# Altium PCB CONTROL_485.PcbDoc (part 1 of 2)
Units mm, origin at the board's own origin, x right, y up, seen from the top; angles counter-clockwise.
Board outline 100 x 50 mm, 2 copper layers (Top Layer, Top, Bottom Layer, Bottom), stack 1.57 mm thick; 196 components, 120 nets, 634 pads, 358 vias.
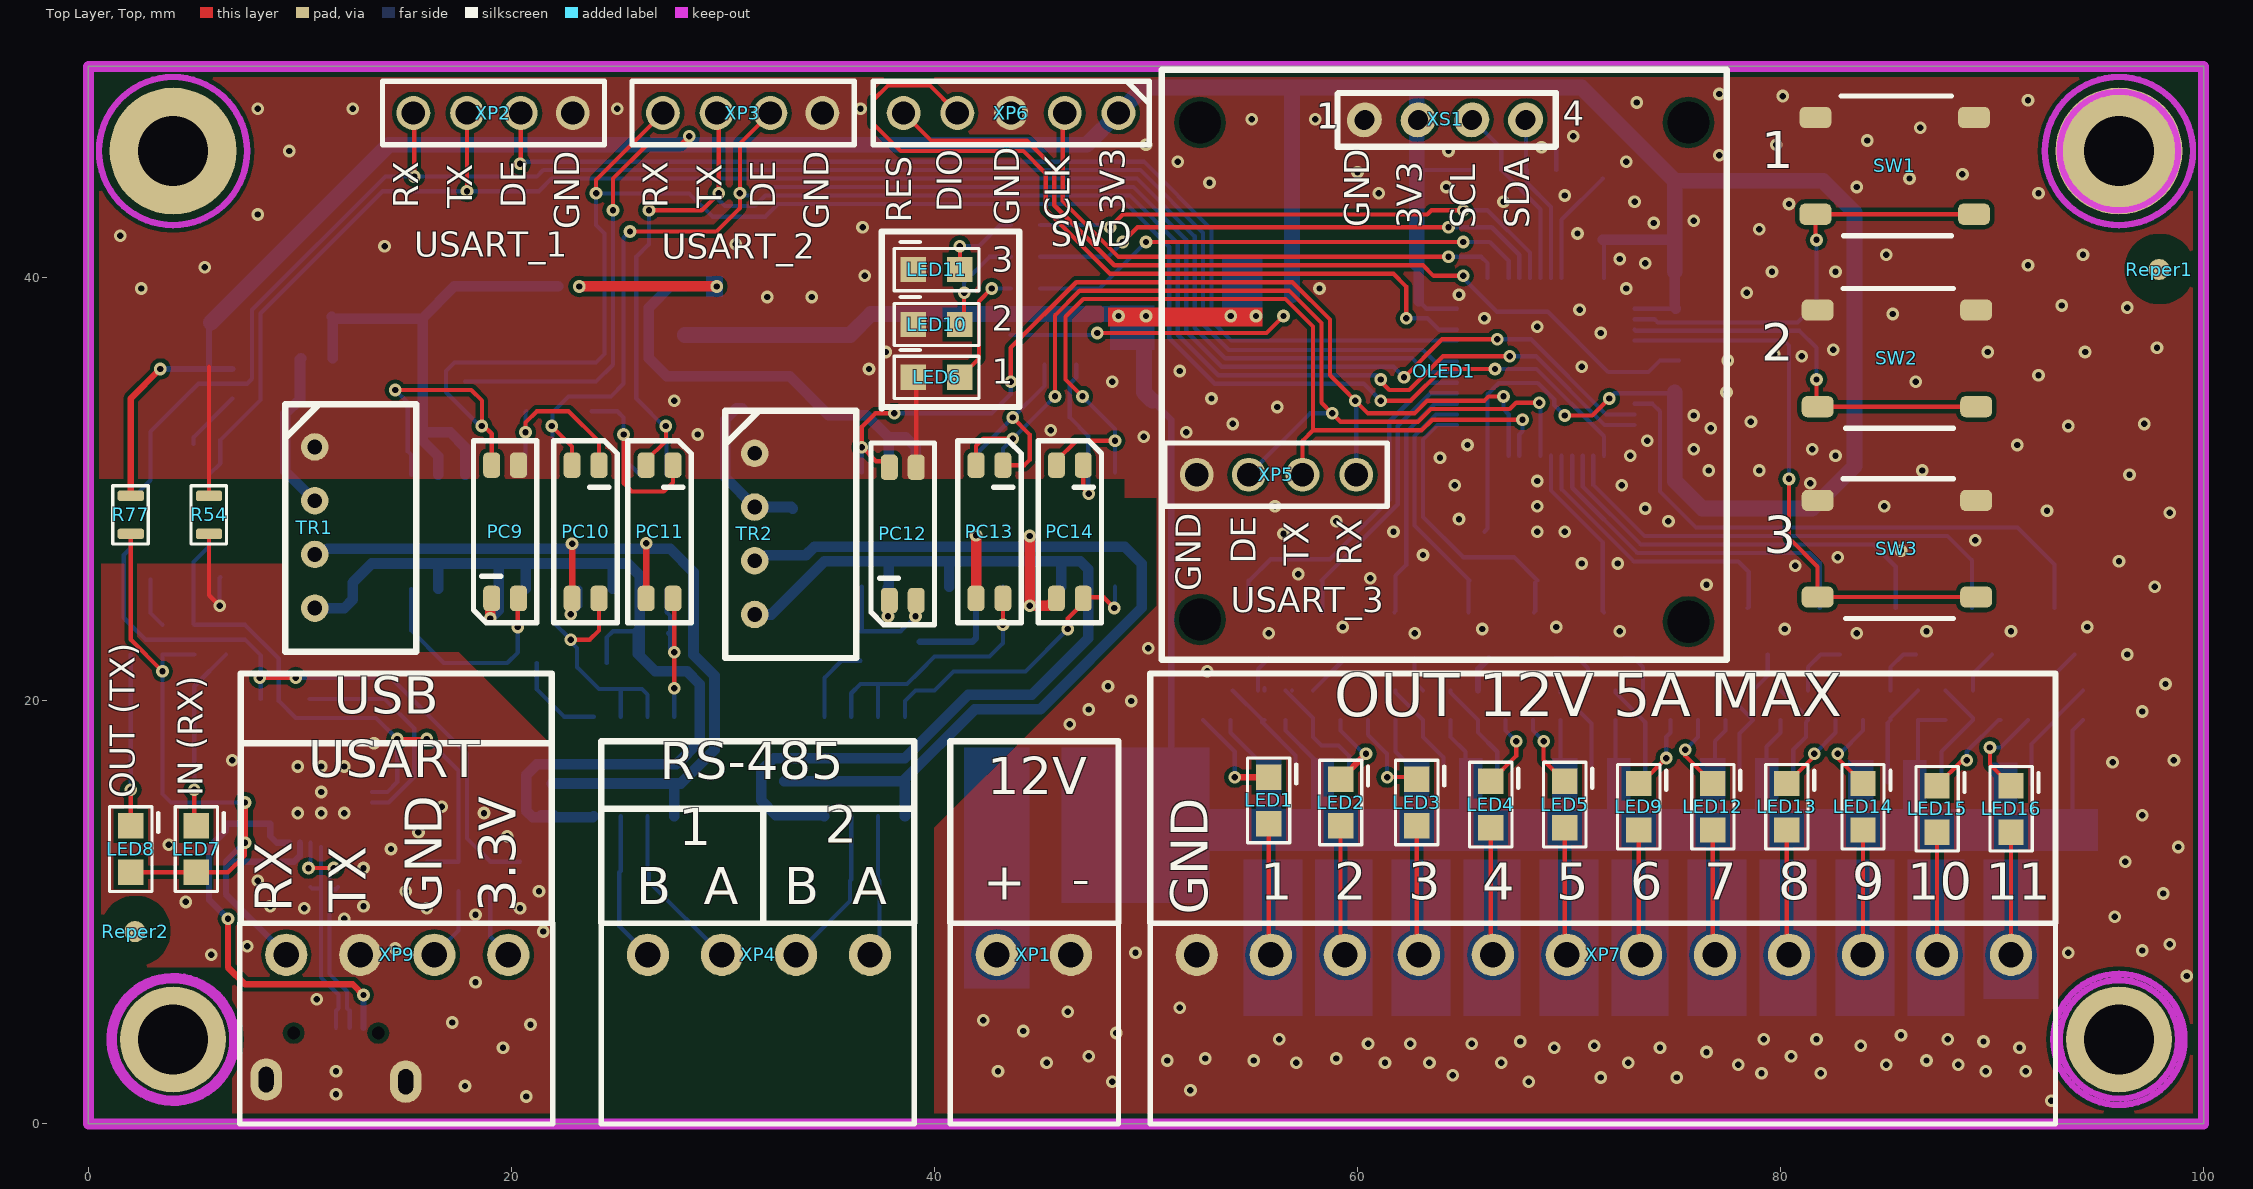
[diagram p0: Top Layer, Top view]
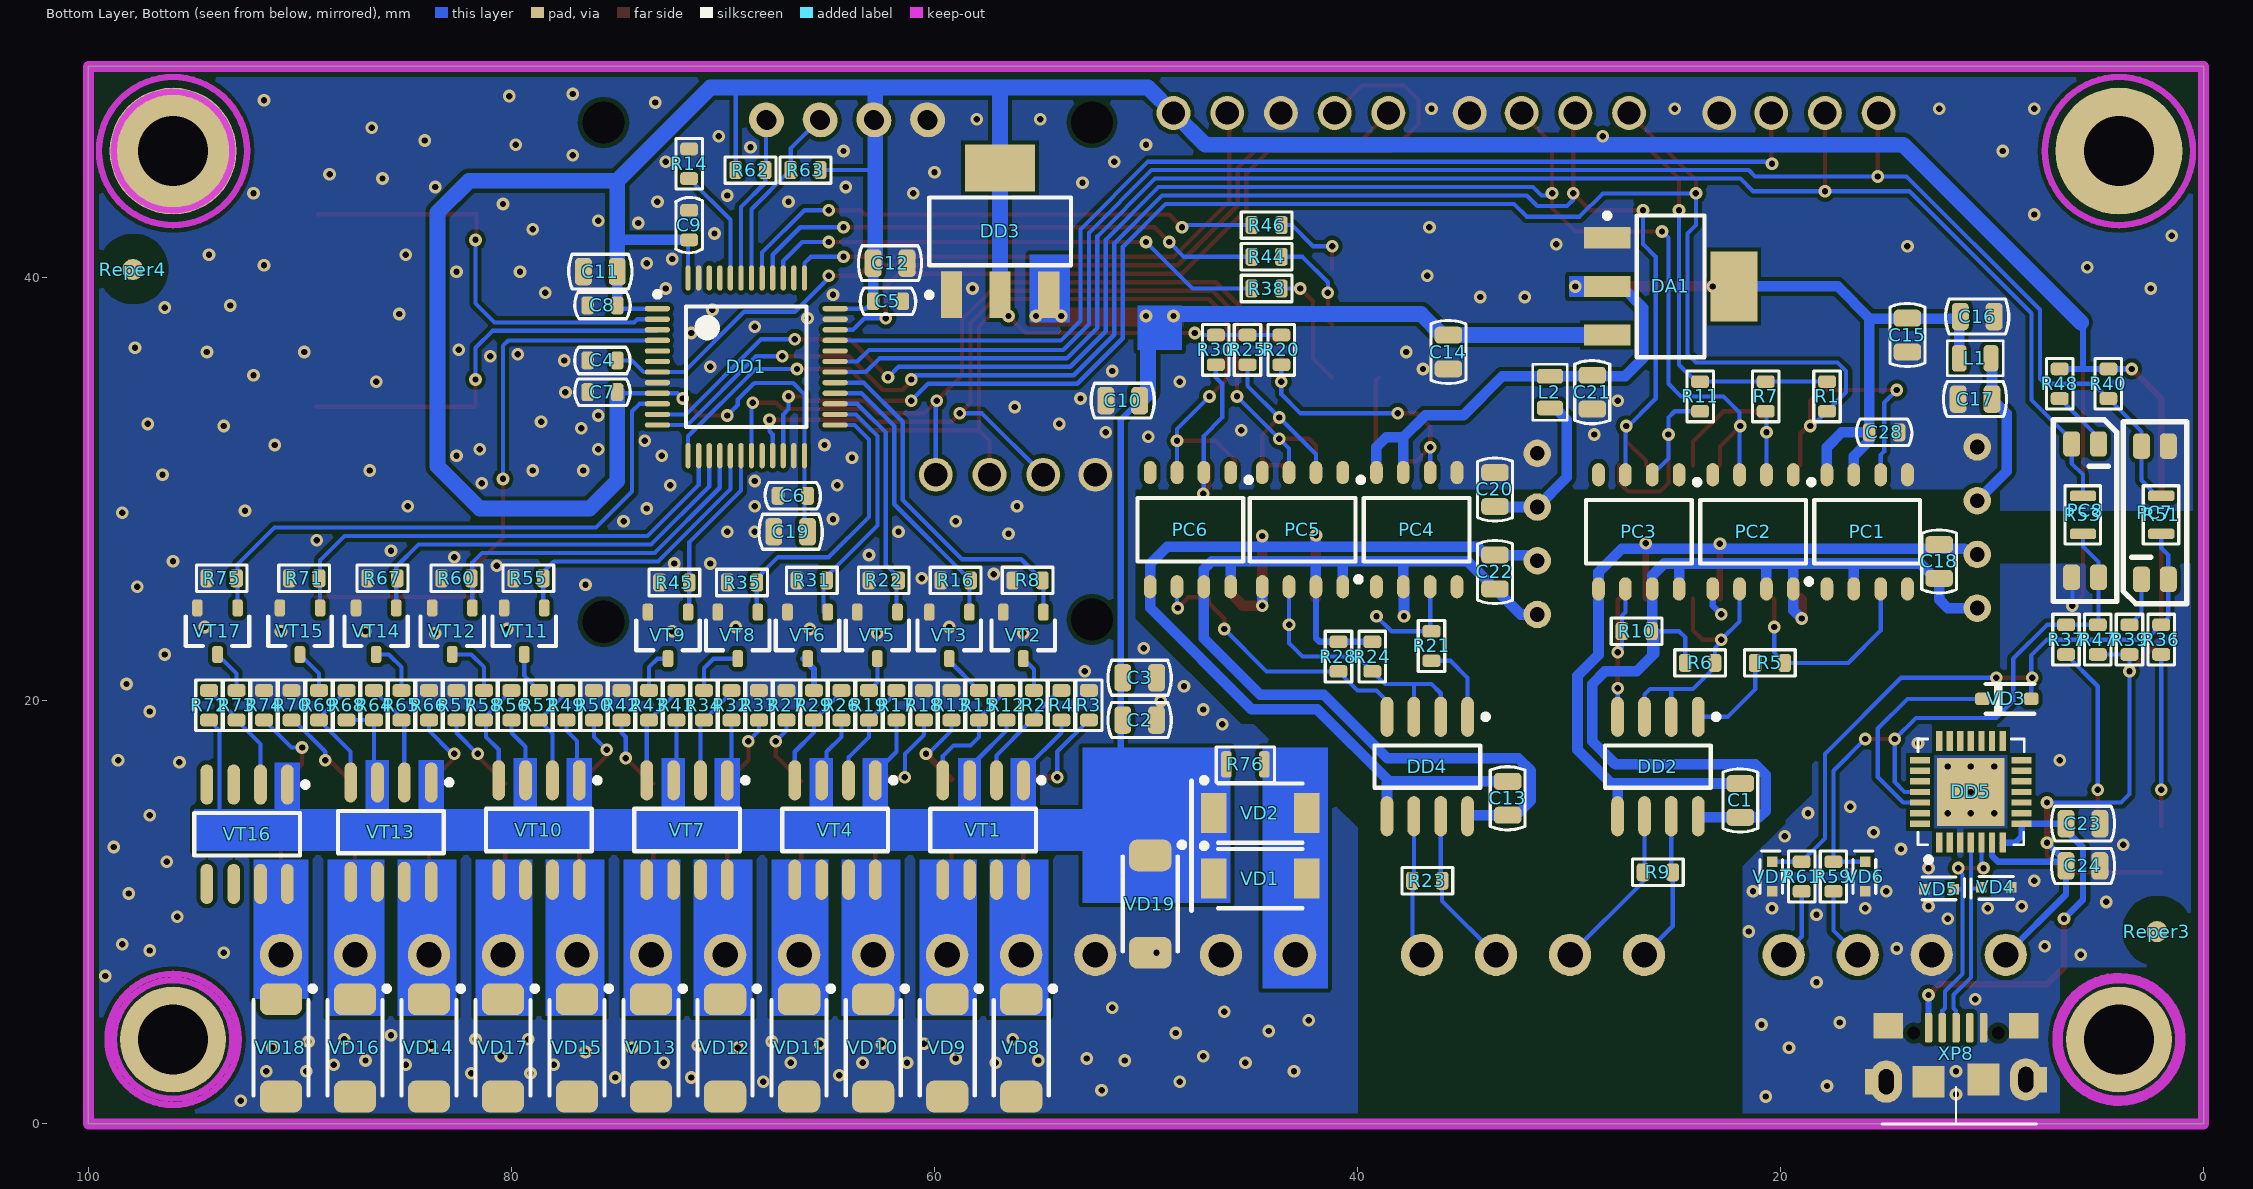
[diagram p1: Bottom Layer, Bottom view, seen from below]

## Layer stack, top to bottom
Top Solder, Top Mask: solder mask 0.0102, Solder Resist, Dk 3.5
Top Layer, Top: signal copper 0.035
Dielectric 1: core 1.5, FR-4, Dk 4.2
Bottom Layer, Bottom: signal copper 0.035
Bottom Solder, Bot Mask: solder mask 0.0102, Solder Resist, Dk 3.5

## Board outline
0,0 0,50 100,50 100,0

## Design rules (kind name [scope] priority, off if disabled: settings)
Clearance [All] p1: gap=0.2
ComponentClearance [All] p1 off: gap=0.254 collisioncheckmode=3 verticalgap=0.254 showdistances=FALSE
DiffPairsRouting [All] p1: maxlimit=0.2 minlimit=0.2 mostfreqgap=0.2 toplayer_minwidth=0.2 toplayer_maxwidth=0.2 toplayer_prefwidth=0.2 bottomlayer_minwidth=0.2 bottomlayer_maxwidth=0.2 bottomlayer_prefwidth=0.2 maxuncoupledlength=12.7
Height [All] p1 off: minheight=0 maxheight=25.4 prefheight=12.7
HoleSize [All] p1: absolutevalues=TRUE maxlimit=5 minlimit=0.2 maxpercent=80.000 minpercent=20.000
MinimumSolderMaskSliver [All] p1: minsoldermaskwidth=0.07
PlaneClearance PlaneClearance_InPoly [InPoly] p1: clearance=0.2
PlaneClearance [All] p2: clearance=0.254
PlaneConnect [All] p1: planeconnectstyle=Direct reliefexpansion=0.508 reliefentries=4 reliefconductorwidth=0.254 reliefairgap=0.254
PolygonConnect PolygonConnect_isVia [isVia] p1: connectstyle=Direct reliefconductorwidth=0.254 reliefentries=4 polygonreliefangle="90 Angle" airgapwidth=0.3
PolygonConnect [All] p2: connectstyle=Direct reliefconductorwidth=0.3 reliefentries=4 polygonreliefangle="90 Angle" airgapwidth=0.3
RoomDefinition CONTROL_485 [InComponentClass('CONTROL_485')] p1: confinementstyle=ConfineIn formatcopy=TRUE lockcomponents=FALSE outline -1280.8,-450.65 -1230,-450.65 -1230,-425.25 -1280.8,-425.25
RoutingVias [All] p1: holewidth=0.25 width=0.45 viastyle="Through Hole" minholewidth=0.2 minwidth=0.4 maxholewidth=0.711 maxwidth=1.27
SilkToSilkClearance [All] p1 off: silktosilkclearance=0
SilkToSolderMaskClearance [IsPad] p1: minsilkscreentomaskgap=0.07 clearancetoexposedcopper=TRUE
SolderMaskExpansion [All] p1: expansion=0.075
Width [All] p1: maxlimit=2 minlimit=0.2 preferedwidth=0.2
21 further rules are at their usual default settings.

## Classes and differential pairs
differential pair USB_D: +USB_D_P -USB_D_N

## Components (designator, comment, footprint, x,y, rotation, side; value= is the part's Value field where it differs from the comment)
C1 "C0805, 10uF, 10V, X5R" C0805 21.9,15.3 r90 bottom
C2 "C0805, 10uF, 16V, X5R" C0805 50.3,19.1 r0 bottom
C3 "C0805, 10uF, 16V, X5R" C0805 50.3,21.1 r0 bottom
C4 "C0603, 100nF 50V" C0603 75.7,36.1 r0 bottom
C5 "C0603, 100nF 50V" C0603 62.2,38.9 r0 bottom
C6 "C0603, 100nF 50V" C0603 66.7,29.7 r180 bottom
C7 "C0603, 100nF 50V" C0603 75.7,34.6 r180 bottom
C8 "C0603, 100nF 50V" C0603 75.7,38.7 r180 bottom
C9 "C0603, 100nF 50V" C0603 71.6,42.5 r270 bottom
C10 "C0805, 10uF, 16V, X5R" C0805 51.1,34.2 r180 bottom
C11 "C0805, 10uF, 10V, X5R" C0805 75.8,40.3 r180 bottom
C12 "C0805, 10uF, 10V, X5R" C0805 62.1,40.7 r0 bottom
C13 "C0805, 10uF, 10V, X5R" C0805 32.9,15.4 r90 bottom
C14 "C0805, 10uF, 16V, X5R" C0805 35.7,36.5 r90 bottom
C15 "C0805, 10uF, 10V, X5R" C0805 14,37.3 r90 bottom
C16 "C0805, 10uF, 10V, X5R" C0805 10.7,38.175 r0 bottom
C17 "C0805, 10uF, 10V, X5R" C0805 10.8,34.275 r0 bottom
C18 "C0805, 10uF, 10V, X5R" C0805 12.5,26.6 r270 bottom
C19 "C0805, 10uF, 10V, X5R" C0805 66.8,28 r0 bottom
C20 "C0805, 10uF, 10V, X5R" C0805 33.5,30 r270 bottom
C21 "C0805, 10uF, 10V, X5R" C0805 28.9,34.6 r90 bottom
C22 "C0805, 10uF, 10V, X5R" C0805 33.5,26.1 r270 bottom
C23 "C0805, 10uF, 10V, X5R" C0805 5.7,14.2 r180 bottom
C24 "C0805, 10uF, 10V, X5R" C0805 5.7,12.2 r180 bottom
C28 "C0603, 100nF 50V" C0603 15.1,32.7 r0 bottom
DA1 "LD1117S50TR" SOT223_N 25.2,39.6 r180 bottom
DD1 "STM32F070CBT6" LQFP48_L 68.9,35.8 r180 bottom
DD2 "ST485EBDR" SO-8_L 25.8,16.9 r90 bottom
DD3 "LD1117S33TR" SOT223_N 56.9,42.2 r90 bottom
DD4 "ST485EBDR" SO-8_L 36.7,16.9 r90 bottom
DD5 "CP2102-GMR" QFN28 11,15.7 r90 bottom
L1 "MLZ2012N4R7LT000" L0805 10.8,36.2 r180 bottom
L2 "MLZ2012N4R7LT000" L0805 30.9,34.6 r270 bottom
LED1 "FYLS-0805BUBC" LED_0805_B 55.8,15.3 r270 top
LED2 "FYLS-0805BUBC" LED_0805_B 59.2,15.2 r270 top
LED3 "FYLS-0805BUBC" LED_0805_B 62.8,15.2 r270 top
LED4 "FYLS-0805BUBC" LED_0805_B 66.3,15.1 r270 top
LED5 "FYLS-0805BUBC" LED_0805_B 69.8,15.1 r270 top
LED6 "FYLS-0805BUBC" LED_0805_B 40.1,35.3 r0 top
LED7 "FYLS-0805BUBC" LED_0805_B 5.1,13 r270 top
LED8 "FYLS-0805BUBC" LED_0805_B 2,13 r270 top
LED9 "FYLS-0805BUBC" LED_0805_B 73.3,15 r270 top
LED10 "FYLS-0805BUBC" LED_0805_B 40.1,37.8 r0 top
LED11 "FYLS-0805BUBC" LED_0805_B 40.1,40.4 r0 top
LED12 "FYLS-0805BUBC" LED_0805_B 76.8,15 r270 top
LED13 "FYLS-0805BUBC" LED_0805_B 80.3,15 r270 top
LED14 "FYLS-0805BUBC" LED_0805_B 83.9,15 r270 top
LED15 "FYLS-0805BUBC" LED_0805_B 87.4,14.9 r270 top
LED16 "FYLS-0805BUBC" LED_0805_B 90.9,14.9 r270 top
OLED1 "OLED Display 128x64 SSD1306 0.96" "OLED DISPLAY 128X64 SSD1306 0.96" 64.1,35.6 r0 top locked
PC1 "HCPL-0601-500E" SO-8_HCPL 15.9,28 r90 bottom
PC2 "HCPL-0601-500E" SO-8_HCPL 21.3,28 r270 bottom
PC3 "HCPL-0601-500E" SO-8_HCPL 26.7,28 r270 bottom
PC4 "HCPL-0601-500E" SO-8_HCPL 37.2,28.1 r90 bottom
PC5 "HCPL-0601-500E" SO-8_HCPL 42.6,28.1 r270 bottom
PC6 "HCPL-0601-500E" SO-8_HCPL 47.9,28.1 r270 bottom
PC7 "TLP291(GB-TP,SE" TLP292 2.3,28.9 r270 bottom
PC8 "TLP291(GB-TP,SE" TLP292 5.6,29 r90 bottom
PC9 "TLP291(GB-TP,SE" TLP292 19.7,28 r270 top
PC10 "TLP291(GB-TP,SE" TLP292 23.5,28 r90 top
PC11 "TLP291(GB-TP,SE" TLP292 27,28 r90 top
PC12 "TLP291(GB-TP,SE" TLP292 38.5,27.9 r270 top
PC13 "TLP291(GB-TP,SE" TLP292 42.6,28 r90 top
PC14 "TLP291(GB-TP,SE" TLP292 46.4,28 r90 top
R1 "R0603, 470R 1%" R0603 17.8,34.4 r90 bottom
R2 "R0603, 2.74k 1%" R0603 55.3,19.8 r90 bottom
R3 "R0603, 10k 1%" R0603 52.7,19.8 r270 bottom
R4 "R0603, 10k 1%" R0603 54,19.8 r270 bottom
R5 "R0603, 470R 1%" R0603 20.5,21.8 r0 bottom
R6 "R0603, 470R 1%" R0603 23.8,21.8 r0 bottom
R7 "R0603, 470R 1%" R0603 20.7,34.4 r90 bottom
R8 "R0603, 10k 1%" R0603 55.6,25.7 r180 bottom
R9 "R0603, 121R 1%" R0603 25.8,11.9 r180 bottom
R10 "R0603, 470R 1%" R0603 26.8,23.3 r180 bottom
R11 "R0603, 470R 1%" R0603 23.8,34.4 r90 bottom
R12 "R0603, 10k 1%" R0603 56.6,19.8 r270 bottom
R13 "R0603, 10k 1%" R0603 59.2,19.8 r270 bottom
R14 "R0603, 4.75k 1%" R0603 71.6,45.4 r90 bottom
R15 "R0603, 2.74k 1%" R0603 57.9,19.8 r90 bottom
R16 "R0603, 10k 1%" R0603 59,25.7 r180 bottom
R17 "R0603, 10k 1%" R0603 61.8,19.8 r270 bottom
R18 "R0603, 10k 1%" R0603 60.5,19.8 r270 bottom
R19 "R0603, 2.74k 1%" R0603 63.1,19.8 r90 bottom
R20 "R0603, 470R 1%" R0603 43.6,36.6 r90 bottom
R21 "R0603, 470R 1%" R0603 36.5,22.6 r270 bottom
R22 "R0603, 10k 1%" R0603 62.4,25.7 r180 bottom
R23 "R0603, 121R 1%" R0603 36.7,11.5 r0 bottom
R24 "R0603, 470R 1%" R0603 39.3,22.1 r90 bottom
R25 "R0603, 470R 1%" R0603 45.2,36.6 r90 bottom
R26 "R0603, 10k 1%" R0603 64.4,19.8 r270 bottom
R27 "R0603, 10k 1%" R0603 67,19.8 r270 bottom
R28 "R0603, 470R 1%" R0603 40.9,22.1 r270 bottom
R29 "R0603, 2.74k 1%" R0603 65.7,19.8 r90 bottom
R30 "R0603, 470R 1%" R0603 46.7,36.6 r90 bottom
R31 "R0603, 10k 1%" R0603 65.8,25.7 r180 bottom
R32 "R0603, 10k 1%" R0603 69.6,19.8 r270 bottom
R33 "R0603, 10k 1%" R0603 68.3,19.8 r270 bottom
R34 "R0603, 2.74k 1%" R0603 70.9,19.8 r90 bottom
R35 "R0603, 10k 1%" R0603 69.1,25.6 r180 bottom
R36 "R0603, 4.75k 1%" R0603 2,22.9 r90 bottom
R37 "R0603, 4.75k 1%" R0603 6.5,22.9 r90 bottom
R38 "R0603, 4.75k 1%" R0603 44.3,39.5 r0 bottom
R39 "R0603, 470R 1%" R0603 3.5,22.9 r270 bottom
R40 "R0603, 470R 1%" R0603 4.5,35 r90 bottom
R41 "R0603, 10k 1%" R0603 72.2,19.8 r270 bottom
R42 "R0603, 10k 1%" R0603 74.8,19.8 r270 bottom
R43 "R0603, 2.74k 1%" R0603 73.5,19.8 r90 bottom
R44 "R0603, 4.75k 1%" R0603 44.3,41 r0 bottom
R45 "R0603, 10k 1%" R0603 72.3,25.6 r180 bottom
R46 "R0603, 4.75k 1%" R0603 44.3,42.5 r0 bottom
R47 "R0603, 470R 1%" R0603 5,22.9 r270 bottom
R48 "R0603, 470R 1%" R0603 6.8,35 r90 bottom
R49 "R0603, 10k 1%" R0603 77.4,19.8 r270 bottom
R50 "R0603, 10k 1%" R0603 76.1,19.8 r270 bottom
R51 "R0805, 0R_not_mount" R0805 2,28.8 r90 bottom
R52 "R0603, 2.74k 1%" R0603 78.7,19.8 r90 bottom
R53 "R0805, 0R_not_mount" R0805 5.7,28.8 r90 bottom
R54 "R0805, 0R_not_mount" R0805 5.7,28.8 r90 top
R55 "R0603, 10k 1%" R0603 79.2,25.8 r180 bottom
R56 "R0603, 10k 1%" R0603 80,19.8 r270 bottom
R57 "R0603, 10k 1%" R0603 82.6,19.8 r270 bottom
R58 "R0603, 2.74k 1%" R0603 81.3,19.8 r90 bottom
R59 "R0603, 121R 1%" R0603 17.5,11.7 r270 bottom
R60 "R0603, 10k 1%" R0603 82.6,25.8 r180 bottom
R61 "R0603, 121R 1%" R0603 19,11.7 r270 bottom
R62 "R0603, 2.74k 1%" R0603 68.7,45.1 r0 bottom
R63 "R0603, 2.74k 1%" R0603 66.1,45.1 r180 bottom
R64 "R0603, 10k 1%" R0603 86.5,19.8 r270 bottom
R65 "R0603, 2.74k 1%" R0603 85.2,19.8 r90 bottom
R66 "R0603, 10k 1%" R0603 83.9,19.8 r270 bottom
R67 "R0603, 10k 1%" R0603 86.1,25.8 r180 bottom
R68 "R0603, 10k 1%" R0603 87.8,19.8 r270 bottom
R69 "R0603, 2.74k 1%" R0603 89.1,19.8 r90 bottom
R70 "R0603, 10k 1%" R0603 90.4,19.8 r270 bottom
R71 "R0603, 10k 1%" R0603 89.8,25.8 r180 bottom
R72 "R0603, 10k 1%" R0603 94.3,19.8 r270 bottom
R73 "R0603, 2.74k 1%" R0603 93,19.8 r90 bottom
R74 "R0603, 10k 1%" R0603 91.7,19.8 r270 bottom
R75 "R0603, 10k 1%" R0603 93.7,25.8 r180 bottom
R76 "R0805, 0R_not_mount" R0805 45.3,17 r0 bottom
R77 "R0805, 0R_not_mount" R0805 2,28.8 r90 top
Reper1 "Reper" REPER_1x3 97.9,40.4 r90 top
Reper2 "Reper" REPER_1x3 2.2,9.1 r90 top
Reper3 "Reper" REPER_1x3 2.2,9.1 r90 bottom
Reper4 "Reper" REPER_1x3 97.9,40.4 r90 bottom
SW1 "IT-1102WC (6x6x8)" IT-1102WC 85.4,45.3 r180 top
SW2 "IT-1102WC (6x6x8)" IT-1102WC 85.5,36.2 r180 top
SW3 "IT-1102WC (6x6x8)" IT-1102WC 85.5,27.2 r180 top
TR1 "AM1SS-0505SJZ" "4-SIP (11.6x6x10.2)" 10.7,28.2 r270 top
TR2 "AM1SS-0505SJZ" "4-SIP (11.6x6x10.2)" 31.5,27.9 r270 top
VD1 "PMEG3050EP" SOD128 44.6,11.6 r180 bottom
VD2 "PMEG3050EP" SOD128 44.6,14.7 r180 bottom
VD3 "BAS16J,115" SOD-323 9.3,20.1 r180 bottom
VD4 "ESD5Z3.3T1G" SOD-523 9.8,11.2 r180 bottom
VD5 "ESD5Z3.3T1G" SOD-523 12.5,11.1 r0 bottom
VD6 "ESD5Z3.3T1G" SOD-523 16,11.7 r270 bottom
VD7 "ESD5Z3.3T1G" SOD-523 20.4,11.7 r270 bottom
VD8 "SMAJ13CA-TR" SMA 55.9,3.6 r270 bottom
VD9 "SMAJ13CA-TR" SMA 59.4,3.6 r270 bottom
VD10 "SMAJ13CA-TR" SMA 62.9,3.6 r270 bottom
VD11 "SMAJ13CA-TR" SMA 66.4,3.6 r270 bottom
VD12 "SMAJ13CA-TR" SMA 69.9,3.6 r270 bottom
VD13 "SMAJ13CA-TR" SMA 73.4,3.6 r270 bottom
VD14 "SMAJ13CA-TR" SMA 83.9,3.6 r270 bottom
VD15 "SMAJ13CA-TR" SMA 76.9,3.6 r270 bottom
VD16 "SMAJ13CA-TR" SMA 87.4,3.6 r270 bottom
VD17 "SMAJ13CA-TR" SMA 80.4,3.6 r270 bottom
VD18 "SMAJ13CA-TR" SMA 90.9,3.6 r270 bottom
VD19 "SMAJ13CA-TR" SMA 49.8,10.4 r270 bottom
VT1 "FDS4935A" SO-8_L 57.7,13.9 r90 bottom
VT2 "BSS138" SOT-23 55.8,23.1 r270 bottom
VT3 "BSS138" SOT-23 59.3,23.1 r270 bottom
VT4 "FDS4935A" SO-8_L 64.7,13.9 r90 bottom
VT5 "BSS138" SOT-23 62.7,23.1 r270 bottom
VT6 "BSS138" SOT-23 66,23.1 r270 bottom
VT7 "FDS4935A" SO-8_L 71.7,13.9 r90 bottom
VT8 "BSS138" SOT-23 69.3,23.1 r270 bottom
VT9 "BSS138" SOT-23 72.6,23.1 r270 bottom
VT10 "FDS4935A" SO-8_L 78.7,13.9 r90 bottom
VT11 "BSS138" SOT-23 79.4,23.3 r270 bottom
VT12 "BSS138" SOT-23 82.8,23.3 r270 bottom
VT13 "FDS4935A" SO-8_L 85.7,13.8 r90 bottom
VT14 "BSS138" SOT-23 86.4,23.3 r270 bottom
VT15 "BSS138" SOT-23 90,23.3 r270 bottom
VT16 "FDS4935A" SO-8_L 92.5,13.7 r90 bottom
VT17 "BSS138" SOT-23 93.9,23.3 r270 bottom
XP1 "15EDGRC-3.5-02P-14-00AH + 15EDGK-3.5-02P-14-00AH" 15EDGRC-3.5-02P-14-00AH 44.7,8 r0 top
XP2 "PLS-4_not_mount" PLS-4_not_mount 17.9,47.8 r0 top
XP3 "PLS-4_not_mount" PLS-4_not_mount 29.7,47.8 r0 top
XP4 "15EDGRC-3.5-04P-14-00AH + 15EDGK-3.5-04P-14-00AH" 15EDGRC-3.5-04P-14-00AH 31.7,8 r0 top
XP5 "PLS-4_not_mount" PLS-4_not_mount 57.4,30.7 r180 top
XP6 "PLS-5_not_mount" PLS-5_not_mount 48.7,47.8 r180 top
XP7 "15EDGRC-3.5-12P-14-00AH" 15EDGRC-3.5-12P-14-00AH 52.4,8 r0 top
XP8 "USB-micro 5P/F 5-9 SMD-DIP T/R (TYCO 2013499-1)" "TYCO 2013499-1" 11.7,0 r270 bottom
XP9 "15EDGRC-3.5-04P-14-00AH + 15EDGK-3.5-04P-14-00AH" 15EDGRC-3.5-04P-14-00AH 14.6,8 r0 top
XS1 "PBS-4 (DS-1023-1x4)" PBS-4 66.7,47.5 r0 top

## Footprints (in the part's own frame and the unit in brackets; to place one, negate y for a bottom-side part, rotate by r counter-clockwise, add the part's x,y. Pads: shape width x height; smd on the part's side, far side on the other; paste and mask are expansions set on the pad)
"4-SIP (11.6x6x10.2)" [mm]
  round 1.3 hole 0.7: 1(-3.81,0) 2(-1.27,0) 3(1.27,0) 4(3.81,0)
  silkscreen extent -5.83,-1.4 5.87,4.8, body extent -5.84,-1.35 5.84,4.75, height 10.15
15EDGRC-3.5-02P-14-00AH [mm]
  round 2 hole 1.2: 1(-1.75,0) 2(1.75,0)
  silkscreen extent -3.95,-8 4,1.5, body extent -3.9,-8 3.9,1.2, height 7.2
15EDGRC-3.5-04P-14-00AH [mm]
  round 2 hole 1.2: 1(-5.25,0) 2(-1.75,0) 3(1.75,0) 4(5.25,0)
  silkscreen extent -7.45,-8 7.35,1.5, body extent -7.45,-8 7.35,1.2, height 7.3
15EDGRC-3.5-12P-14-00AH [mm]
  round 2 hole 1.2: 1(0,0) 2(3.5,0) 3(7,0) 4(10.5,0) 5(14,0) 6(17.5,0) 7(21,0) 8(24.5,0) 9(28,0) 10(31.5,0) 11(35,0) 12(38.5,0)
  silkscreen extent -2.2,-8 40.6,1.5, body extent -2.2,-8 40.6,1.2, height 7.3
C0603 [mm] "Chip Capacitor, 2-Leads, Body 1,60x0,80mm, IPC Medium Density"
  rrect50% 0.6x0.85 smd: 1(-0.7,0) 2(0.7,0)
  silkscreen extent -1.31,-0.63 1.31,0.63, body extent -0.82,-0.4 0.77,0.4, height 0.9
C0805 [mm]
  rrect50% 0.8x1.3 smd: 1(-0.8,0) 2(0.8,0)
  silkscreen extent -1.49,-0.82 1.49,0.82, body extent -1,-0.6 1,0.6, height 1.2
IT-1102WC [mm]
  rrect50% 1.5x1 smd: 1(-3.746,2.286) 1(3.746,2.286) 2(-3.746,-2.286) 2(3.746,-2.286)
  silkscreen extent -2.67,-3.3 2.54,3.3, body extent -4.06,-3.25 3.94,3.25, height 7
L0805 [mm] "Chip Inductor, 2-Leads, Body 2.0x1.3mm, IPC Medium Density"
  rrect50% 0.7x1.25 smd: 1(-0.75,0) 2(0.75,0)
  silkscreen extent -1.33,-0.82 1.33,0.82, body extent -1,-0.6 1,0.6, height 0.95
LED_0805_B [mm]
  rect 1.2x1.2 smd: 1(-1.1,0) 2(1.1,0)
  silkscreen extent -2,-1 2,1.3, body extent -1.05,-0.67 1.05,0.68, height 0.8
LQFP48_L [mm] "QFP, 48-Leads, Body 7x7mm, Pitch 0.5mm, IPC High Density"
  oval 1.2x0.25 smd: 1(-4.2,2.75) 2(-4.2,2.25) 3(-4.2,1.75) 4(-4.2,1.25) 5(-4.2,0.75) 6(-4.2,0.25) 7(-4.2,-0.25) 8(-4.2,-0.75) 9(-4.2,-1.25) 10(-4.2,-1.75) 11(-4.2,-2.25) 12(-4.2,-2.75) 25(4.2,-2.75) 26(4.2,-2.25) 27(4.2,-1.75) 28(4.2,-1.25) 29(4.2,-0.75) 30(4.2,-0.25) 31(4.2,0.25) 32(4.2,0.75) 33(4.2,1.25) 34(4.2,1.75) 35(4.2,2.25) 36(4.2,2.75)
  oval 0.25x1.2 smd: 13(-2.75,-4.2) 14(-2.25,-4.2) 15(-1.75,-4.2) 16(-1.25,-4.2) 17(-0.75,-4.2) 18(-0.25,-4.2) 19(0.25,-4.2) 20(0.75,-4.2) 21(1.25,-4.2) 22(1.75,-4.2) 23(2.25,-4.2) 24(2.75,-4.2) 37(2.75,4.2) 38(2.25,4.2) 39(1.75,4.2) 40(1.25,4.2) 41(0.75,4.2) 42(0.25,4.2) 43(-0.25,4.2) 44(-0.75,4.2) 45(-1.25,4.2) 46(-1.75,4.2) 47(-2.25,4.2) 48(-2.75,4.2)
  silkscreen extent -4.33,-2.85 2.85,3.55, body extent -4.5,-4.5 4.5,4.5, height 1.5
"OLED DISPLAY 128X64 SSD1306 0.96" [mm]
  round 0 hole 2 unplated: 0(-11.55,-11.75) 0(-11.55,11.75) 0(11.55,-11.85) 0(11.55,11.75)
  round 1.6 hole 0.9: 1(-3.8,11.85) 2(-1.26,11.85) 3(1.28,11.85) 4(3.82,11.85)
  silkscreen extent -13.35,-13.65 13.35,14.25, body extent -13.35,-13.61 13.35,14.25, height 13.47
PBS-4 [mm]
  round 1.6 hole 0.9: 1(-6.35,0) 2(-3.81,0) 3(-1.27,0) 4(1.27,0)
  silkscreen extent -7.62,-1.27 2.7,1.27, body extent -7.58,-1.3 2.58,1.24, height 8.4
PLS-4_not_mount [mm]
  round 1.6 hole 1.1: 1(-2.54,0) 2(0,0) 3(2.54,0) 4(5,0)
  silkscreen extent -4,-1.5 6.5,1.5
PLS-5_not_mount [mm]
  round 1.6 hole 1.1: 1(0,0) 2(2.54,0) 3(5.08,0) 4(7.62,0) 5(10.16,0)
  silkscreen extent -1.46,-1.5 11.6,1.5
QFN28 [mm]
  rect 0.95x0.3 smd mask+0: 1(-2.4,1.5) 2(-2.4,1) 3(-2.4,0.5) 4(-2.4,0) 5(-2.4,-0.5) 6(-2.4,-1) 7(-2.4,-1.5) 15(2.4,-1.5) 16(2.4,-1) 17(2.4,-0.5) 18(2.4,0) 19(2.4,0.5) 20(2.4,1) 21(2.4,1.5)
  rect 0.3x0.95 smd mask+0: 8(-1.5,-2.4) 9(-1,-2.4) 10(-0.5,-2.4) 11(0,-2.4) 12(0.5,-2.4) 13(1,-2.4) 14(1.5,-2.4) 22(1.5,2.4) 23(1,2.4) 24(0.5,2.4) 25(0,2.4) 26(-0.5,2.4) 27(-1,2.4) 28(-1.5,2.4)
  rect 3.2x3.2 smd mask+0: 29(0,0)
  silkscreen extent -3.33,-2.52 2.5,2.5, body extent -2.5,-2.5 2.5,2.5, height 1
R0603 [mm]
  rrect50% 0.6x0.85 smd: 1(-0.7,0) 2(0.7,0)
  silkscreen extent -1.2,-0.63 1.2,0.63, body extent -0.85,-0.4 0.85,0.4, height 0.56
R0805 [mm]
  rrect50% 0.5x1.25 smd: 1(-0.9,0) 2(0.9,0)
  silkscreen extent -1.38,-0.82 1.38,0.85, body extent -1,-0.63 1,0.63, height 0.47
REPER_1x3 [mm]
  round 1 smd paste-2 mask+1: Reper(0,0)
  Top Layer, Top pour cut-out: -1.65,-0.025 -1.523,-0.666 -1.16,-1.21 -0.616,-1.573 0.025,-1.7 0.025,-1.7 0.666,-1.573 1.21,-1.21 1.573,-0.666 1.7,-0.025 1.7,-0.025 1.573,0.616 1.21,1.16 0.666,1.523 0.025,1.65 0.025,1.65 -0.616,1.523 -1.16,1.16 -1.523,0.616 -1.65,-0.025
SMA [mm] "Molded Diode, 2-Leads, Body 5.2x2.6mm, IPC Medium Density"
  rrect50% 1.5x2 smd: 1(-2.3,0) 2(2.3,0)
  silkscreen extent -2.92,-1.3 2.25,1.62, body extent -2.74,-1.4 2.74,1.4, height 2.24
SO-8_HCPL [mm]
  oval 1.1x0.6 smd: 1(-2.7,1.905) 2(-2.7,0.635) 3(-2.7,-0.635) 4(-2.7,-1.905) 5(2.7,-1.905) 6(2.7,-0.635) 7(2.7,0.635) 8(2.7,1.905)
  silkscreen extent -2.47,-2.5 1.5,2.88, body extent -3,-2.5 3,2.5, height 3.33
SO-8_L [mm] "SOIC, 8-Leads, Body 4.9x3.9mm, Pitch 1.27mm, IPC High Density"
  oval 1.9x0.6 smd: 1(2.35,-1.905) 2(2.35,-0.635) 3(2.35,0.635) 4(2.35,1.905) 5(-2.35,1.905) 6(-2.35,0.635) 7(-2.35,-0.635) 8(-2.35,-1.905)
  silkscreen extent -1,-2.88 2.47,2.5, body extent -2.98,-2.45 3.02,2.45, height 1.75
SOD128 [mm] "4 mm pitch"
  rect 1.2x1.9 smd: 1(-2.2,0) 2(2.2,0)
  silkscreen extent -3.25,-1.5 2,1.67, body extent -2.62,-1.38 2.57,1.32, height 1.11
SOD-323 [mm] "Molded Diode, 2-Leads, Body 2,5x1,3mm, IPC Medium Density"
  rrect50% 0.7x0.6 smd: 1(-1.15,0) 2(1.15,0)
  silkscreen extent -1,-0.7 1.3,0.7, body extent -1.27,-0.67 1.33,0.67, height 1.1
SOD-523 [mm]
  rect 0.5x0.5 smd: 1(0.7,-0.001) 2(-0.7,0.001)
  silkscreen extent -1.2,-0.58 0.8,0.5, body extent -0.8,-0.4 0.8,0.4, height 0.7
SOT223_N [mm] "SOT223, 4-Leads, Body 6.5x3.5mm, Pitch 2.3mm, Lead Span 7mm, IPC Medium Density"
  rect 2.2x1 smd: 1(-3,2.3) 2(-3,0) 3(-3,-2.3)
  rect 2.2x3.3 smd: 4(3,0)
  silkscreen extent -3.13,-3.35 1.6,3.47, body extent -3.58,-3.25 3.43,3.25, height 1.64
SOT-23 [mm] "SOT23, 3-Leads, Body 3.0x2.6mm (max), Pitch 0.95mm, IPC Medium Density"
  rrect50% 0.8x0.5 smd: 1(-1.1,0.95) 2(-1.1,-0.95) 3(1.1,0)
  silkscreen extent -0.7,-1.5 0.7,1.5, body extent -1.32,-1.5 1.32,1.5, height 1.08
TLP292 [mm]
  rrect50% 1.2x0.8 smd: 1(3.15,-0.635) 2(3.15,0.635) 3(-3.15,0.635) 4(-3.15,-0.635)
  silkscreen extent -4.3,-1.5 4.3,1.5, body extent -3.5,-1.3 3.5,1.3, height 2.01
"TYCO 2013499-1" [mm]
  round 0 hole 0.6: 0(-4.3,-2) 0(-4.3,2)
  rrect50% 1.4x0.35 smd: D+(-4.55,0) D-(-4.55,-0.65) GND(-4.55,1.3) ID(-4.55,0.65) VBUS(-4.55,-1.3)
  rect 1.2x1.4 smd: GND2(-4.65,-3.2) GND2(-4.65,3.2) GND2(-2.1,3.6) GND2(-2,-3.6)
  rect 1.5x1.5 smd: GND2(-2.1,1.3) GND2(-2,-1.3)
  oval 2x1.5 hole 0.7 slot 1.2 at 0 deg unplated: GND2(-2.1,3.3) GND2(-2,-3.3)
  silkscreen extent -1.75,-3.5 0.03,3.8, body extent -4.9,-4 0.7,4, height 2.8

## Part data
DA1: "IC REG LDO 0.8A 5V SOT223-4"
DD1: "ARM® Cortex®-M0 STM32F0 Microcontroller IC 32-Bit 48MHz 128KB (128K x 8) FLASH 48-LQFP (7x7)"
DD2 DD4: "Transceiver RS485, 8-SOIC"
DD3: "IC REG LDO 0.8A 3.3V SOT223-4"
DD5: "IC USB-TO-UART BRIDGE 28VQFN"
L1 L2: "4.7µH Shielded Multilayer Inductor 600mA 180mOhm 0805 (2012 Metric)"
LED1 LED2 LED3 LED4 LED5 LED6 LED7 LED8 LED9 LED10 LED11 LED12 LED13 LED14 LED15 LED16: "LED, blue, 0805"
PC1 PC2 PC3 PC4 PC5 PC6: "OPTOISO 3.75KV OPN COLLECTOR 8SO"
PC7 PC8 PC9 PC10 PC11 PC12 PC13 PC14: "Photocoupler TLP291"
SW1 SW2 SW3: "Horizontal Push Tact Switch"
TR1 TR2: "Isolated Module DC DC Converter 1 Output 5V    200mA 4.5V - 5.5V Input"
VD1 VD2: "DIODE 5 A 30 V Schottky barrier rectifier"
VD3: "Switching Diode 250MA 100V SOD323"
VD4 VD5 VD6 VD7: "TVS ESD SOD?523"
VD8 VD9 VD10 VD11 VD12 VD13 VD14 VD15 VD16 VD17 VD18 VD19: "TVS DIODE 13V 27.2V SMA"
VT1 VT4 VT7 VT10 VT13 VT16: "Mosfet Array 2 P-Channel 30V 7A  8-SO"
VT2 VT3 VT5 VT6 VT8 VT9 VT11 VT12 VT14 VT15 VT17: "N-Channel 50V 220mA (Ta) 360mW (Ta) Surface Mount SOT-23-3"
XP1: library part 15EDGRC-3.5-02P-14-00AH, "Connector 15EDGRC-3.5-02P-14-00AH + 15EDGK-3.5-02P-14-00AH"
XP2 XP3 XP5: "Connector PLS-4 (2.54mm x1)"
XP4 XP9: library part 15EDGRC-3.5-04P-14-00AH, "Connector 15EDGRC-3.5-04P-14-00AH + 15EDGK-3.5-04P-14-00AH"
XP6: "Connector PLS-5 (2.54mm x1)_not_mount"
XP7: "15EDGRC-3.5-12P-14-00AH + 15EDGK-3.5-12P-14-00AH"
XP8: "Micro USB 5S-B"
XS1: "Connector PBS-04 (2.54mm x1)"

## Free pads (board coordinates)
  round 5 hole 3.3: 2(4,4) 2(96,4)
  round 6 hole 3.3: 2(4,46) 2(96,46)

## Via types
v1: diameter 0.6, hole 0.3, Top Layer, Top to Bottom Layer, Bottom, tented both sides, 358 vias

## Nets (pads, with @x,y where several pads share a name; then routed paths per layer and width w, separated by ;. In a path a pad name is that pad's centre, name@x,y a point inside that pad or via, vN(x,y) a via of type N, cw(c..) or ccw(c..) an arc to the next point about the centre after c; other vN are vias at no path point)
1_485_A: DD2.6 R9.1 XP4.2 | length 8
  Bottom Layer, Bottom w0.2: DD2.6@26.435,14.55 26.435,11.965 R9.1@26.5,11.9 26.5,11.45 XP4.2@29.95,8
1_485_B: DD2.7 R9.2 XP4.1 | length 7.1
  Bottom Layer, Bottom w0.2: DD2.7@25.165,14.55 25.165,11.965 R9.2@25.1,11.9 25.1,9.35 XP4.1@26.45,8
2_485_A: DD4.6 R23.2 XP4.4 | length 6.8
  Bottom Layer, Bottom w0.2: XP4.4@36.95,8 37.4,8.45 R23.2@37.4,11.5 37.335,11.565 DD4.6@37.335,14.55
2_485_B: DD4.7 R23.1 XP4.3 | length 7.6
  Bottom Layer, Bottom w0.2: XP4.3@33.45,8 36,10.55 R23.1@36,11.5 36.065,11.565 DD4.7@36.065,14.55
3V3: C5.2 C6.2 C7.2 C8.2 C9.2 C11.2 C12.2 C19.1 DD1.1 DD1.9 DD1.24 DD1.36 DD1.48 DD3.2 DD3.4 OLED1.2 R1.2 R7.2 R11.2 R20.2 R25.2 R30.2 R40.2 R48.2 R62.2 R63.2 R77.2 XP6.1 XS1.2 | length 215.3
  Top Layer, Top w0.2: v1(24.8,43.2) 24.8,44.7 26.4,46.3 28,46.3 v1(28.4,46.7) ; v1(47.7,37.4) 55.7,37.4 v1(56.5,38.2) ; v1(69.8,33.5) 71.1,33.5 v1(71.9,34.3)
  Top Layer, Top w0.3: R77.2@2,29.7 2,34.3 v1(3.4,35.7)
  Bottom Layer, Bottom w0.2: R1.2@17.8,35.1 R7.2@20.7,35.1 R11.2@23.8,35.1 24,35.1 24.8,35.9 v1(24.8,43.2) ; R20.2@43.6,37.3 R25.2@45.2,37.3 R30.2@46.7,37.3 47.6,37.3 v1(47.7,37.4) ; 62.8,45.2 62.9,45.1 R63.2@65.4,45.1 ; C5.2@62.9,38.9 63.25,38.55 DD1.36@64.7,38.55 ; C19.1@66,28 66.15,28.15 DD1.24@66.15,31.6 66.15,34.499 66.68,35.029 68.52,35.029 69.3,34.249 69.3,34 v1(69.8,33.5) ; R62.2@69.4,45.1 69.4,49 ; C9.2@71.6,41.8 71.65,41.75 DD1.48@71.65,40 ; v1(71.9,34.3) 72.15,34.55 DD1.9@73.1,34.55 C7.2@75,34.55 ; DD1.1@73.1,38.55 C8.2@75,38.55
  Bottom Layer, Bottom w0.3: v1(3.4,35.7) R40.2@4.5,35.7 5.7,35.7 ; 5.8,37.9 5.7,37.8 5.7,35.7 ; R48.2@6.8,35.7 5.7,35.7
  Bottom Layer, Bottom w0.5: C5.2@62.9,38.9 C12.2@62.9,40.6 ; C9.2@71.6,41.8 74.9,41.8 75,41.9 ; C11.2@75,40.3 75,38.6 C8.2@75.05,38.55
  Bottom Layer, Bottom w0.75: 5.8,37.9 14.2,46.3 47.2,46.3 XP6.1@48.7,47.8 49.9,49 56.7,49 ; DD3.2@56.9,39.2 DD3.4@56.9,45.2 56.9,48.8 56.7,49 ; C12.2@62.8,40.7 62.8,45.2 62.8,49 ; C7.2@75,34.6 75,34.55 75,30.4 76.3,29.1 81.5,29.1 83.5,31.1 83.5,43.1 82,44.6 75,44.6 ; C11.2@75,40.3 75,41.9 75,44.6 ; 56.7,49 62.8,49 ; 62.8,49 69.4,49 70.6,49 75,44.6
3VCP: C24.1 DD5.6 LED7.2 LED8.2 R39.2 R47.2 R77.1 XP9.1 | length 38.7
  Top Layer, Top w0.2: LED8.2@2,11.9 LED7.2@5.1,11.9 6.6,11.9 7.4,12.7 v1(7.4,13.3) ; R77.1@2,27.9 2,22.9 v1(3.5,21.4)
  Top Layer, Top w0.3: v1(7.4,13.3) v1(7.4,15.2)
  Bottom Layer, Bottom w0.2: R47.2@5,22.2 R39.2@3.5,22.2 3.5,15.6 3.9,15.2 v1(7.4,15.2)
  Bottom Layer, Bottom w0.3: v1(7.4,13.3) 6.5,12.4 C24.1@6.5,12.2 ; XP9.1@9.35,8 6.5,10.85 C24.1@6.5,12.2 ; DD5.6@10,13.3 10,12.68 9.72,12.4 6.7,12.4 C24.1@6.5,12.2
5V: C15.2 C16.2 C21.2 C28.2 DA1.2 DA1.4 L1.1 L2.1 PC1.7 PC1.8 PC4.7 PC4.8 | length 52.8
  Top Layer, Top w0.5: v1(23.2,39.6) v1(29.7,39.6)
  Bottom Layer, Bottom w0.5: C16.2@11.5,38.175 C16.2@11.55,38.125 ; L1.1@11.55,36.2 C16.2@11.55,38.125 ; 15.8,38.075 C28.2@15.8,32.7 ; PC1.7@16.535,30.7 16.535,31.565 15.8,32.3 C28.2@15.8,32.7 ; PC1.8@17.805,30.7 17.805,31.995 17.1,32.7 C28.2@15.8,32.7 ; DA1.4@22.2,39.6 17.3,39.6 15.775,38.075 11.6,38.075 C16.2@11.55,38.125 ; DA1.2@28.2,39.6 27.5,39.6 26.5,38.6 26.5,36.2 27.35,35.35 L2.1@30.9,35.35 33.15,35.35 35,33.5 36.8,33.5 37.835,32.465 ; PC4.7@37.835,30.8 37.835,32.465 ; PC4.8@39.105,30.8 39.105,31.995 38.635,32.465 37.835,32.465
5V_A: C1.1 C18.2 DD2.8 PC1.2 PC2.7 PC2.8 PC3.7 PC3.8 PC9.1 R6.2 R10.2 TR1.4 | length 52.8
  Top Layer, Top w0.5: v1(19,23.9) 19,24.785 PC9.1@19.065,24.85
  Bottom Layer, Bottom w0.2: R6.2@24.5,21.8 24.5,23 24.8,23.3 R10.2@25.965,23.3
  Bottom Layer, Bottom w0.5: TR1.4@10.7,24.39 12.09,24.39 12.5,24.8 12.5,25.6 13.4,26.5 16.5,26.5 ; PC1.2@16.535,25.3 16.535,26.465 16.5,26.5 ; v1(19,23.9) 19.395,24.295 PC2.8@19.395,25.3 19.395,26.395 19.5,26.5 ; PC2.7@20.665,25.3 20.665,26.435 20.6,26.5 ; C1.1@21.4,14.6 C1.1@22,14.6 ; DD2.8@23.895,14.55 23.845,14.5 C1.1@21.9,14.5 21,14.5 20.7,14.8 20.7,16.5 21.2,17 27.8,17 28.9,18.1 28.9,20.8 28.3,21.4 26.8,21.4 26.065,22.135 ; PC3.8@24.795,25.3 24.795,26.405 24.7,26.5 ; R10.2@25.965,23.3 25.965,22.235 26.065,22.135 ; 16.5,26.5 19.5,26.5 ; 19.5,26.5 20.6,26.5 ; 20.6,26.5 24.7,26.5 ; 24.7,26.5 25.5,26.5 26.065,25.935 PC3.7@26.065,25.3 26.065,22.135
5V_B: C13.1 C22.2 DD4.8 PC4.2 PC5.7 PC5.8 PC6.7 PC6.8 PC12.1 R24.2 R28.1 TR2.4 | length 54.4
  Bottom Layer, Bottom w0.3: R24.2@39.3,22.8 R28.1@40.9,22.8 41.8,22.8 41.965,22.965 PC5.7@41.965,25.4
  Bottom Layer, Bottom w0.5: TR2.4@31.5,24.09 32.29,24.09 C22.2@33.5,25.3 34.8,26.6 37.8,26.6 ; DD4.8@34.795,14.55 34.745,14.6 32.5,14.6 31.8,15.3 31.8,16.7 32.4,17.3 38.6,17.3 41.6,20.3 44.6,20.3 47.265,22.965 PC6.7@47.265,25.4 47.265,26.235 46.9,26.6 46,26.6 ; v1(37.8,24) 37.8,25.365 PC4.2@37.835,25.4 37.835,26.565 37.8,26.6 ; PC5.8@40.695,25.4 40.695,26.595 40.7,26.6 ; PC5.7@41.965,25.4 41.965,26.565 42,26.6 ; PC6.8@45.995,25.4 45.995,26.595 46,26.6 ; 37.8,26.6 40.7,26.6 ; 40.7,26.6 42,26.6 ; 42,26.6 46,26.6
5V_USB: C23.1 DD5.7 DD5.8 XP8.VBUS | length 19.7
  Top Layer, Top w0.3: v1(6.6,9.7) 6.6,7.4 7.4,6.6 12.5,6.6 v1(13,6.1)
  Bottom Layer, Bottom w0.3: v1(6.6,9.7) 5.7,10.6 5.7,13.075 6.5,13.875 C23.1@6.5,14.2 DD5.8@8.6,14.2 8.6,13.6 8.9,13.3 DD5.7@9.5,13.3 ; XP8.VBUS@13,4.55 v1(13,6.1)
12V: C2.2 C3.2 C10.2 C14.2 DA1.3 DD3.3 R4.2 R12.2 R17.2 R26.2 R32.2 R41.2 R49.2 R56.2 R64.2 R68.2 R72.2 R76.2 VD1.1 VD2.1 VD19.1 VT1.1 VT1.3 VT4.1 VT4.3 VT7.1 VT7.3 VT10.1 VT10.3 VT13.1 VT13.3 VT16.1 | length 73.2
  Bottom Layer, Bottom w0.2: R4.2@54,19.1 54,18.5 55.695,16.805 55.795,16.805 VT1.1@55.795,16.25 ; R12.2@56.6,19.1 56.6,18.6 58,17.2 ; R17.2@61.8,19.1 61.8,17.6 62.4,17 ; VT4.1@62.6,16.445 VT4.1@62.795,16.25 ; R26.2@64.4,19.1 64.4,18.3 65.1,17.6 65.1,16.9 65,16.8 ; R32.2@69.6,19.1 69.6,16.445 VT7.1@69.795,16.25 VT7.1@69.8,16.255 ; R41.2@72.2,19.1 72.2,16.385 VT7.3@72.335,16.25 VT7.3@72.6,16.515 ; VT10.1@76.6,16.445 VT10.1@76.795,16.25 ; 76.9,17.2 76.9,18.1 77.4,18.6 R49.2@77.4,19.1 ; VT10.3@79.6,16.515 VT10.3@79.335,16.25 79.335,17.835 80,18.5 R56.2@80,19.1 ; VT13.3@86.335,16.15 86.5,16.315 R64.2@86.5,19.1 R68.2@87.8,19.1 ; 93.8,14.7 93.8,18.6 R72.2@94.3,19.1
  Bottom Layer, Bottom w0.3: C10.2@50.3,34.2 51.2,33.3 51.2,17.1
  Bottom Layer, Bottom w0.75: DA1.3@28.2,37.3 36,37.3 37,38.3 48.3,38.3 ; 49.9,36.8 49.9,34.6 C10.2@50.3,34.2
  other v1: 48.7,38.2 50,38.2 54,38.2 55.2,38.2
+IN: R76.1 VD1.2 VD2.2 XP1.1
AGND: C1.2 C18.1 DD2.5 PC2.5 PC3.5 PC10.3 PC11.3 TR1.3 | length 42.9
  Top Layer, Top w0.3: v1@22.8,27.5 v1(22.865,27.435) PC10.3@22.865,24.85 ; PC11.3@26.365,24.85 v1(26.365,27.465) v1@26.4,27.5
  Bottom Layer, Bottom w0.3: v1(22.8,24.1) 23.205,24.505 PC2.5@23.205,25.3
  Bottom Layer, Bottom w0.5: 11.3,27.2 27.5,27.2 28.605,26.095 PC3.5@28.605,25.3 28.605,22.195 29.6,21.2 29.6,17.7 28,16.1 C1.2@21.9,16.1 ; DD2.5@27.705,14.55 27.705,15.805
BGND: C13.2 C22.1 DD4.5 PC5.5 PC6.5 PC13.3 PC14.3 TR2.3 | length 52.7
  Top Layer, Top w0.5: PC13.3@41.965,24.85 v1(41.965,27.835) ; v1(44.5,27.8) v1(44.5,24.5) 45.415,24.5 PC14.3@45.765,24.85
  Bottom Layer, Bottom w0.5: TR2.3@31.5,26.63 31.77,26.9 C22.1@33.5,26.9 33.925,26.9 34.325,27.3 41.8,27.3 ; C13.2@32.9,16.2 38.5,16.2 ; DD4.5@38.605,14.55 38.605,16.095 38.5,16.2 ; v1(41.965,27.835) 41.965,27.465 41.8,27.3 ; v1(44.5,24.5) 44.5,25.395 PC5.5@44.505,25.4 ; v1(44.5,27.8) 44.5,27.3 ; 38.5,16.2 41.9,19.6 45,19.6 49.805,24.405 PC6.5@49.805,25.4 49.805,26.495 49,27.3 44.5,27.3 ; 41.8,27.3 44.5,27.3
BOOT: DD1.44 R14.1 | length 5.5
  Bottom Layer, Bottom w0.2: DD1.44@69.65,40 69.65,42.75 R14.1@71.6,44.7
BUTTON_1: DD1.2 SW1.1 | length 20.8
  Top Layer, Top w0.2: v1(81.7,41.8) 81.653,41.846 SW1.1@81.653,43.014 SW1.1@89.146,43.014
  Bottom Layer, Bottom w0.2: DD1.2@73.1,38.05 74.05,38.05 74.2,37.9 80.8,37.9 81.7,38.8 v1(81.7,41.8)
BUTTON_2: DD1.3 SW2.1 | length 19.3
  Top Layer, Top w0.2: v1(81.7,35.2) 81.7,33.968 SW2.1@81.753,33.914 SW2.1@89.246,33.914
  Bottom Layer, Bottom w0.2: DD1.3@73.1,37.55 73.15,37.5 80.9,37.5 81.7,36.7 v1(81.7,35.2)
BUTTON_3: DD1.4 SW3.1 | length 27.3
  Top Layer, Top w0.2: v1(80.4,30.5) 80.4,27.7 81.753,26.347 SW3.1@81.753,24.914 SW3.1@89.246,24.914
  Bottom Layer, Bottom w0.2: DD1.4@73.1,37.05 80.15,37.05 80.4,36.8 v1(80.4,30.5)
D1: DD2.4 PC3.6 PC11.4 R10.1 | length 8.9
  Top Layer, Top w0.2: PC11.4@27.635,24.785 PC11.4@27.635,24.85 ; v1(27.7,20.6) v1(27.7,22.3) PC11.4@27.7,24.785
  Bottom Layer, Bottom w0.2: PC3.6@27.335,25.3 27.335,24.2 27.5,24.035 R10.1@27.5,23.3 ; R10.1@27.4,23.2 R10.1@27.55,23.05 ; R10.1@27.55,23.25 R10.1@27.55,23.05 ; DD2.4@27.7,19.255 v1(27.7,20.6) ; v1(27.7,22.3) 27.5,22.5 27.5,23 R10.1@27.55,23.05
D2: DD4.4 PC6.6 PC14.4 R28.2 | length 14.3
  Top Layer, Top w0.2: v1(46.3,23.4) 46.3,23.9 47.035,24.635 PC14.4@47.035,24.85 47.085,24.9 48,24.9 v1(48.5,24.4)
  Bottom Layer, Bottom w0.2: DD4.4@38.605,19.25 38.605,20.005 39.1,20.5 40,20.5 R28.2@40.9,21.4 44.3,21.4 v1(46.3,23.4) ; v1(48.5,24.4) 48.535,24.435 PC6.6@48.535,25.4
DE1: DD2.2 DD2.3 PC2.6 PC10.4 R6.1 | length 13.5
  Top Layer, Top w0.2: v1(22.8,22.9) 23.7,22.9 24.135,23.335 PC10.4@24.135,24.85
  Bottom Layer, Bottom w0.2: PC2.6@21.935,25.3 21.935,23.765 v1(22.8,22.9) 22.8,22.8 23.1,22.5 R6.1@23.1,21.8 23.1,21.6 24.135,20.565 25.165,20.565 ; DD2.2@25.165,19.25 25.165,20.565 ; DD2.3@26.435,19.25 26.435,20.3 26.17,20.565 25.165,20.565
DE2: DD4.2 DD4.3 PC5.6 PC13.4 R24.1 | length 14.7
  Top Layer, Top w0.2: v1(43.235,23.6) PC13.4@43.235,24.85
  Bottom Layer, Bottom w0.2: DD4.2@36.065,19.25 36.065,20.365 36.5,20.8 38.7,20.8 R24.1@39.3,21.4 40,22.1 42.6,22.1 43.235,22.735 v1(43.235,23.6) PC5.6@43.235,25.4 ; DD4.3@37.335,19.25 37.335,20.765